# Altium PCB Annotated_PCB.PcbDoc (part 3 of 4)
Units mil, origin at the board's own origin, x right, y up, seen from the top; angles counter-clockwise.
Board outline 5551.18 x 866.13 mil, 4 copper layers (Top Layer, Mid-Layer 1, Mid-Layer 2, Bottom Layer); 219 components, 0 nets, 672 pads, 868 vias.
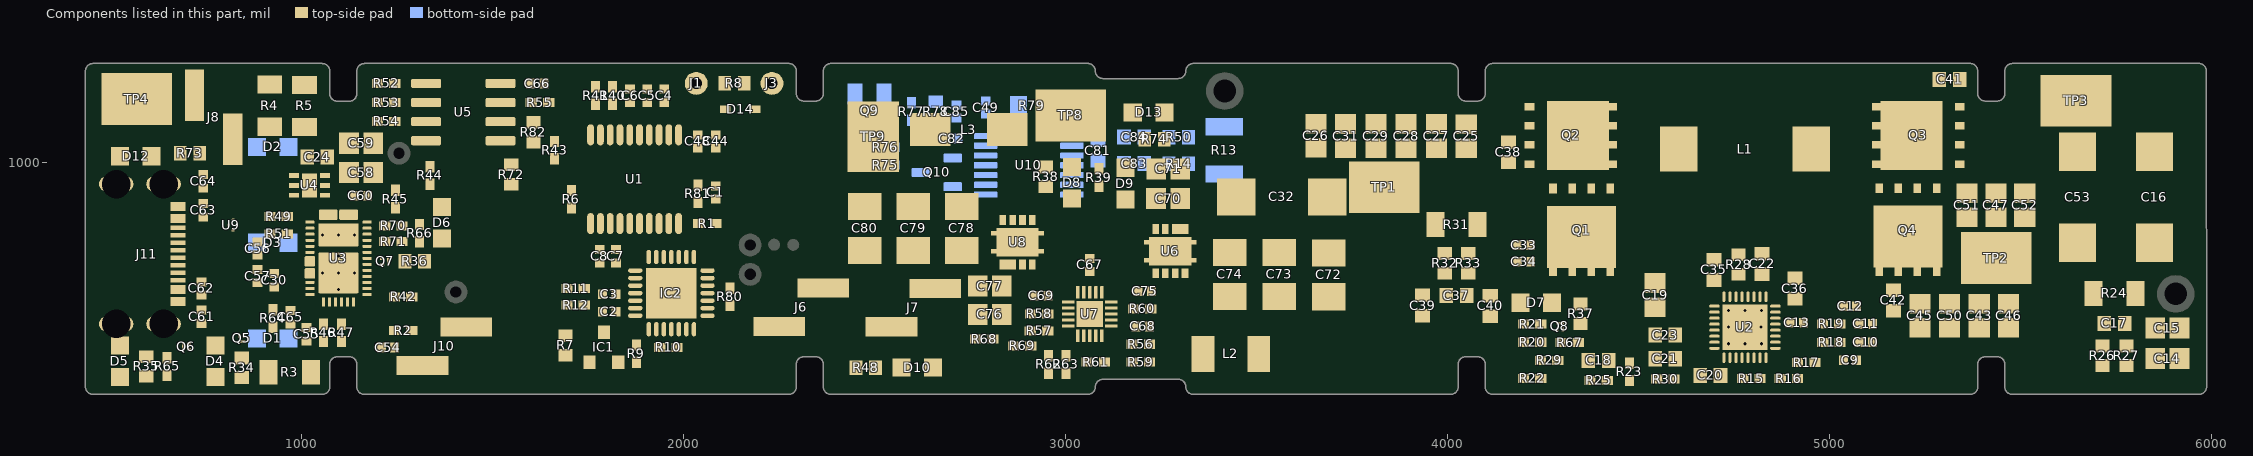
[diagram p5: the components of this part, seen from the top]

## Via types
v1: diameter 18, hole 12, Top Layer to Bottom Layer, tented both sides, 430 vias
v2: diameter 18, hole 8, Top Layer to Bottom Layer, tented both sides, 383 vias
v3: diameter 18, hole 10, Top Layer to Bottom Layer, tented both sides, 49 vias
v4: diameter 23.62, hole 23.62, Top Layer to Bottom Layer, tented both sides, 4 vias
v5: diameter 77.95, hole 77.95, Top Layer to Bottom Layer, 2 vias

## Nets (pads, with @x,y where several pads share a name; then routed paths per layer and width w, separated by ;. In a path a pad name is that pad's centre, name@x,y a point inside that pad or via, vN(x,y) a via of type N, cw(c..) or ccw(c..) an arc to the next point about the centre after c; other vN are vias at no path point) (continued)
copper on no net: | length 74505.5
  Top Layer w4.16: 677.19,731.91 663.41,731.91 658.14,737.17 647.47,737.17 635.51,749.13 635.51,773.75 647.47,785.7 658.14,785.7 663.41,790.97 677.19,790.97 690.97,790.97 696.23,785.7 725.79,785.7 777.32,837.24 777.32,846.84 783.74,853.26 801.47,853.26 804.16,850.56 821.9,850.56 822.69,849.77 822.69,844.19 825.7,841.18 915.75,841.18 918.19,843.61 v2@918.19,859.24 ; 677.19,751.6 663.41,751.6 658.14,746.33 651.26,746.33 644.67,752.92 644.67,769.95 651.26,776.54 658.14,776.54 663.41,771.28 677.19,771.28 690.97,771.28 696.23,776.54 729.58,776.54 777.21,824.18 780.66,824.18 783.74,821.1 800.29,821.1 804.29,825.1 815.09,825.1 815.2,825.21 820.48,825.21 821.9,823.79 822.69,824.58 822.69,830.16 824.54,832.02 915.75,832.02 918.19,829.58 v2@918.19,813.95 ; 970.46,813.95 970.46,829.58 973.08,832.2 1011.65,832.2 1014.94,828.9 1022.82,828.9 ; 970.46,859.24 970.46,843.61 972.72,841.36 1011.65,841.36 1014.94,844.65 1022.82,844.65 ; v2(1667.99,821.99) 1669.56,820.42 1679.65,820.42 1683.23,816.84 1683.23,719.36 1665.69,701.82 1665.69,654.84 1692.9,627.63 1695.86,627.63 ; v2(1687.12,835.99) 1688.69,834.42 1688.69,824.33 1692.39,820.64 1692.39,715.56 1674.85,698.03 1674.85,668.25 1693.17,668.25 1695.86,670.93 ; v2@1850.99,636.99 1852.21,638.21 1873.16,638.21 1874.38,639.43 ; v2@1850.99,661.99 1852.43,660.55 1872.95,660.55 1874.38,659.12
  Top Layer w5: 4858.26,546.25 4868.88,546.25 4871.75,549.12 4879.54,549.12 4888.28,540.38 4893.59,540.38 v2(4897.11,536.87) ; 4858.26,562 4868.88,562 4871.75,559.12 4883.68,559.12 4889.44,553.37 4903.94,553.37 4906.32,550.99 v2(4919.99,550.99) ; 5690.44,658.45 5728.53,658.45 5740.56,646.42 5740.56,601.29 5718.98,579.71 5740.56,558.14 5740.56,547.16 5730.26,536.86 5730.26,534.89 5716.03,520.66 5714.06,520.66 ; 5777.05,520.66 5750.56,547.16 5750.56,558.14 5772.13,579.71 5750.56,601.29 5750.56,646.42 5762.59,658.45 5800.68,658.45
  Top Layer w6: v2@4931.68,577.75 v2(4931.68,581.75)
  Top Layer w6.68: v1(2900.58,988.99) 2900.58,947.92 2910.52,937.98 2948.81,937.98 ; 3934.05,651.45 3996.89,651.45 ; 3968.49,837.29 4003.93,837.29 4017.77,823.44 4017.77,777.77 4014.99,774.99 4006.59,774.99 3993.1,761.5 ; 3993.1,710.32 4006.49,696.93 4013.86,696.93 4017.77,693.02 4017.77,681.81 4017.77,671.55 4013.86,667.64 4011.41,667.64 3997.04,653.27 ; 3997.04,650.33 3997.04,652.3 ; v2(4012.99,617.99) 4012.99,621.05 4017.65,625.71 4017.65,633.37 4013.99,637.03 ; v2@4016.78,617.99 v2@4017.92,616.85 ; v2(4033.99,617.99) 4033.99,620.61 4030.01,624.59 4030.01,633.67 4033.36,637.03 4039.83,637.03 ; 4039.83,652.3 4050.19,652.3 ; 4050.19,653.27 4035.81,667.64 4033.36,667.64 4029.45,671.55 4029.45,686.65 4029.45,693.02 4033.36,696.93 4040.73,696.93 4054.12,710.32 ; 4054.12,651.3 4114.01,651.3 ; 4054.12,761.5 4040.64,774.99 4032.43,774.99 4029.45,777.97 4029.45,823.45 4043.29,837.29 4078.73,837.29 ; v2(4626.99,614.99) 4630.05,614.99 4632.35,617.28 4666.11,617.28 4676.18,607.21 4686.61,607.21 4688.91,609.51 4698.81,609.51 ; v2(4642.52,597.99) 4645.58,597.99 4653.2,605.6 4658.73,605.6 4668.8,595.53 4686.61,595.53 4688.64,593.49 4698.81,593.49
  Top Layer w8: 648.99,489.7 725.47,489.7 733.99,498.23 733.99,545.32 743.97,555.3 800.19,555.3 893.51,648.62 942.62,648.62 981.19,687.19 1022.63,687.19 ; 933.71,616.13 989.03,671.45 1022.63,671.45 ; 1022.82,765.93 1045.07,765.93 1097.43,713.57 ; 1058.06,578.93 1073.81,594.67 1073.81,635.99 ; 1089.56,636.01 1089.56,593.69 1104.32,578.93 ; 1136.99,635.99 1136.99,614.27 1211.92,539.34 1264.6,539.34 1295.18,508.76 1391.22,508.76 1415.99,483.99 v2(1480.99,483.99) ; v2(2451.99,649.6) 2451.99,558.62 2510.1,500.52 v2(2530.82,500.52) ; v2(2913.29,703.86) 2913.29,734.24 ; 3079.71,661.01 3079.71,682.08 3093.49,695.86 v2(3093.49,712.59) ; 3156.89,987.19 3156.95,987.14 ; 4244.08,436.01 4264.06,455.99 v2(4299.99,455.99) ; 4418.38,430.44 4422.02,434.07 v2(4422.02,483.26) ; 4476.37,475.38 4476.37,513.77 4481.29,518.69 4566.15,518.69 4596.45,548.99 ; 4543.3,433.6 4547.82,429.08 ; v3(4543.3,685.49) 4572.49,685.49 4622.99,634.99 4667.28,634.99 4677.28,625 4698.8,625 ; 4593.09,429.08 4593.09,478.92 4596.45,482.27 4663.75,482.27 4696.23,514.75 4698.81,514.75 ; v3(4597.99,631.99) 4597.99,550.53 4596.45,548.99 ; v2(4637.9,505.63) 4637.83,505.63 4596.45,547.02 ; v2(4655.99,561.99) 4696.78,561.99 ; 4698.81,530.5 4659.26,530.5 4642.75,547.02 4596.45,547.02 ; v2@4739.16,490.15 v2(4739.42,490.15) ; v2(4754.91,464.56) 4754.91,490.15 ; 4802.16,490.15 4802.16,467.51 4817.9,451.76 4817.9,435.03 4871.05,435.03 ; 4817.9,490.15 4817.9,471.45 4826.45,462.9 4888.45,462.9 4916.33,435.03 4916.33,478.34 ; 4833.65,490.15 4833.65,499.01 4919.28,499.01 4952.28,532.01 4981.88,532.01 4981.88,511.75 5007.1,486.53 5036.41,486.53 5036.41,485.75 ; 4858.26,514.75 4916.33,514.75 4952.49,550.92 4952.49,568.49 4962.27,578.27 4981.68,578.27 4981.68,602.72 5003.49,624.53 5036.41,624.53 ; 5026.96,578.27 5077.55,578.27 ; 5027.16,532.01 5078.34,532.01 ; 5071.05,485.75 5094.01,485.75 5112.19,503.92 v2(5112.19,530.09) ; 5071.05,624.53 5094.86,624.53 5112.19,607.19 v2(5112.19,578.27) ; 4596.45,547.02 4596.45,548.99
  Top Layer w9.08: 1172.42,671.42 1218.17,671.42 v2(1218.78,670.82) ; 1172.42,687.17 1199.01,687.17 v2(1206.83,694.99) ; 1172.42,702.92 1184.99,702.92 1195.99,713.92 1224.8,713.92 v2(1243.73,694.99) 1243.73,654.32 1241.47,652.06 1244.37,649.16 1244.37,561.01 ; 1172.42,828.9 1184.99,828.9 1193.77,837.69 1193.77,838 1194.05,838.28 1194.05,852.78 1198.39,857.12 1238.23,857.12 1245.27,864.15 1245.27,885.67 1224.4,906.53 1224.4,989.99 1255.99,1021.58 1255.99,1025.12 ; v2(1263.63,793.99) 1264.58,793.99 1287.99,817.4 1287.99,895.35 1336.99,944.35 1365.35,944.35 v2(1378.94,930.77) ; v2(1264.1,834.99) 1264.58,834.99 1271.85,842.26 1271.85,970.85 1325.6,1024.6 1373.99,1024.6 1404.38,1054.99 v2(1450.99,1054.99) ; v2(1430.99,722.11) 1430.99,963.99 v2(1461.99,994.99) ; v2(1447.99,505.99) 1428.99,524.99 1360.32,524.99 1341.99,543.32 v2(1341.99,650.99) 1355.99,664.99 1355.99,676.99 1410.99,731.99 1410.99,978.22 v2(1448.99,1016.22) ; v2(1512.8,722.11) 1524.57,710.34 1524.57,475.41 v2(1542.99,456.99) ; 1521.64,1057.86 1521.64,1021.28 1548.02,994.9 1549.99,994.9 ; 1521.64,1107.86 1606.12,1107.86 1607.86,1106.12 ; v2(1540.99,796.99) 1540.99,489.99 v2(1590.99,439.99) ; v2(1566.99,761.99) 1566.99,495.97 v2(1623.99,438.97) ; v2(1607.86,1054.94) 1662.08,1054.94 1662.99,1055.84 ; 1770.66,1153.53 1770.66,1150.58 1808.64,1112.6 1808.64,1073.27 1808.49,1073.12 1808.49,1037.69 1790.13,1019.33 1790.13,1017.19 v2(1787.99,1017.19) ; v2(1808.99,993.99) 1834.23,1019.23 1834.23,1073.27 1834.23,1131.3 1814.95,1150.58 1814.95,1153.53 ; v2(2156.99,571.82) 2251.34,571.82 2251.51,571.99 ; 2237.77,785.79 2237.77,690.3 2256.08,671.99 2366.47,671.99 2366.47,621.75 2341.99,597.27 v2(2341.99,538.84) ; 2287.79,785.21 2287.79,722.99 2302.79,707.99 2438.35,707.99 2475.35,670.99 2659.83,670.99 2659.83,604.12 2630.99,575.28 v2(2630.99,516.99) ; v2(2544.87,570.99) 2544.87,603.55 2568.99,627.67 v2(2568.99,649.51) ; v2(4786.41,458.43) 4786.41,490.15
  Top Layer w10: 594.44,494.62 593.45,493.64 594.44,492.65 596.41,492.65 622.75,518.99 691.13,518.99 ; 639.79,950.51 657.43,950.51 651.38,944.46 ; 677.19,692.54 700.73,692.54 729.37,721.18 888.01,721.18 936.82,769.99 981.43,769.99 1007.79,796.34 1016.01,796.34 ; 677.19,810.65 677.52,810.32 v3(722.49,810.32) ; 706.88,527.75 706.88,579.56 706.99,579.67 ; 707.19,492.35 707.19,512.1 ; v2@743.99,893.31 v2(743.99,934.67) ; v2(790.4,837.18) 810.08,837.18 ; v3(794.99,756.99) 884.55,756.99 885.82,758.26 902.84,758.26 930.39,785.82 976.05,785.82 1002.32,812.09 1021.75,812.09 1022.82,813.16 ; v2(815.99,538.99) 825.22,548.22 836.04,548.22 ; v3(841.99,793.99) v3@842.53,793.45 ; 843.1,438.97 844.08,437.98 ; 844.08,489.16 844.48,489.56 844.48,529.99 ; 851.37,548.22 851.37,570.37 897.13,616.13 933.71,616.13 ; 885.27,793.45 885.82,792.9 ; v2(1013.99,534.34) 1014.99,533.35 1104.31,533.35 1105.3,532.35 ; 1013.99,568.99 1014.78,568.99 v3(1014.78,592.73) 1058.04,635.99 1071.99,635.99 ; 1022.82,781.66 1044.86,781.66 1049.66,786.46 1072.5,786.46 1097.62,811.58 ; 1097.62,712.17 1097.62,710.79 1152.74,655.67 1172.42,655.67 ; 1097.62,799.6 1100.19,797.04 1110.76,786.46 1146.52,786.46 1151.32,781.66 1172.42,781.66 ; 1103.93,718.69 1172.23,718.69 ; 1105.3,579.63 1105.3,572.09 1107.65,572.09 1185.99,493.76 ; 1105.3,636.01 1105.3,618.91 1207.49,516.72 v2(1209.67,516.72) 1209.67,515.93 1187.49,493.76 1185.99,493.76 ; v2@1118.57,689.68 1097.43,710.82 1097.43,713.57 1149.79,765.93 1172.23,765.93 ; v2@1119.67,734.44 1212.1,734.44 ; 1172.23,750.19 1212.1,750.19 1212.1,765.16 1217.96,771.02 1292.02,771.02 1304.99,783.99 1304.99,793.64 ; 1172.42,797.41 1212.94,797.41 1216.36,793.99 ; 1172.42,813.16 1191.56,813.16 1213.4,834.99 1216.35,834.99 ; 1245.07,1108.26 1245.27,1108.06 1326.56,1108.06 1326.76,1107.86 ; 1245.07,1157.47 1245.27,1157.67 1326.56,1157.67 1326.76,1157.86 ; 1245.07,1207.86 1326.76,1207.86 ; 1274.99,469.99 1317.51,469.99 1209.76,469.99 1185.99,493.76 ; 1309.99,838.57 v2(1309.99,887.64) ; 1322.58,742.12 1349.12,742.12 1368.99,761.99 1368.99,792.86 1360.99,800.87 ; v2(1468.99,775.99) 1487.99,794.99 1487.99,951.99 v2(1508.99,972.99) ; 1521.64,1157.86 1521.84,1157.67 1602.16,1157.67 1602.35,1157.47 ; v2(1628.99,562.99) 1648.99,582.99 1648.99,756.96 v2(1662.99,770.96) ; v2(1629.99,668.99) 1629.99,821.59 1659.99,851.59 1659.99,937.99 v2(1670.99,948.99) ; 1706.99,882.35 1800.32,882.35 1808.64,874.03 1808.64,840.99 1807.17,842.46 ; v2(1741.13,731.99) 1741.13,787.13 1757.46,803.46 1757.46,840.99 ; v2(1757.46,1072.52) v2@1757.46,1073.27 ; v2(1783.05,1072.52) v2@1783.05,1073.27 ; 1834.23,840.99 1834.23,895.23 1878.79,939.79 2084.77,939.79 2126.97,981.99 2201.55,981.99 2237.77,945.77 ; 1874.38,678.8 1949.19,678.8 ; 1874.38,698.49 1921.63,698.49 v2(1925.56,702.42) ; 1874.38,718.17 1909.82,718.17 v2(1925.56,702.42) ; v2(1880.99,899.3) 1978.86,899.3 2037.4,840.76 2040.35,840.76 ; 1929.16,512.76 1929.16,564.28 1929.5,564.63 ; v2(1935.87,799.12) 1936.23,799.48 1936.23,840.63 1936.6,840.99 ; 1949.19,753.6 1949.19,784.43 1962.19,797.43 1962.19,840.99 ; 1988.56,753.6 v2(1988.56,783.12) ; v2(2007.9,797.08) 2007.9,753.95 2008.24,753.6 ; 2008.24,564.63 2008.24,611.87 v2(2012.18,615.81) ; 2027.93,564.63 2027.93,600.06 ; 2037.99,896.35 2037.99,893.4 2044.8,886.59 2047.75,886.59 2061.35,872.99 2109.13,872.99 2122.99,859.13 2122.99,734.99 2106.34,718.34 2063.53,718.34 2063.36,718.17 ; v2(2063.36,698.49) 2098.37,698.49 2121.99,674.86 2121.99,671.91 ; 2121.99,626.64 2121.99,623.68 2098.37,600.06 2063.36,600.06 2027.93,600.06 ; 2188.36,1139.99 v2(2236.99,1139.99) ; v2(2229.99,1085.99) 2270.84,1085.99 2298.99,1057.84 2298.99,1029.79 2287.79,1018.59 2287.79,995.75 ; 2287.79,945.75 2287.79,946.56 2304.68,963.45 v2(2304.68,964.26) ; 2887.7,734.24 2887.7,700.86 2907.57,680.99 2971.99,680.99 3007.27,645.71 3007.27,635.82 ; 2908.65,604.87 2908.65,622.29 2919.59,633.23 2919.59,651.93 ; 2913.29,850.38 2961.6,850.38 2977.99,834 2977.99,697.99 3014.97,661.01 3032.47,661.01 ; 2953.63,560.3 2979.79,560.3 2992.45,547.63 3032.47,547.63 ; v2@2953.93,604.32 3007.27,604.32 ; 2956.08,495 3014.02,495 3048.22,529.2 3048.22,547.63 ; 2956.59,651.92 2956.59,645.13 2981.65,620.07 3007.27,620.07 ; v2(3001.08,449.71) 3027.89,449.71 3034.96,456.78 3034.96,459.04 3054.12,478.21 3057.08,478.21 ; 3048.22,661.01 3048.22,689.42 3032.47,705.17 3032.47,757.11 3047.23,771.86 3048.73,771.86 3156.95,880.08 v1(3156.95,904.46) ; 3063.97,661.01 3063.97,715.41 ; v2(3063.99,521.82) 3063.98,547.62 ; 3079.71,547.63 3079.99,547.35 3079.99,497.61 3099.4,478.21 3174.84,478.21 ; 3095.46,547.63 3149.3,547.63 3171.66,525.26 3174.62,525.26 ; 3095.46,661.01 3115.74,661.01 3165.7,710.98 3236.21,710.98 ; v2(3120.66,572.82) 3121.16,572.32 3184.43,572.32 3184.93,571.82 ; 3120.66,604.32 3120.75,604.41 3145.3,604.41 3158.71,617.82 3178.35,617.82 v2(3178.27,617.73) ; 3120.66,620.07 3121.33,620.74 3139.76,620.74 3182.4,663.38 3190.17,663.38 3190.17,664.17 ; 3120.66,635.82 3133.62,635.82 3151.99,654.18 v2(3151.99,670.99) ; v2(3152.55,744.08) 3152.55,845.46 3163.38,856.29 3252.94,856.29 3261.8,847.43 3261.8,827.12 ; v2(3177.99,738.19) 3177.99,813.94 3191.17,827.12 3236.21,827.12 ; v2(3219.58,571.82) 3219.73,571.66 3219.73,525.42 3219.89,525.26 ; 3222.87,661.66 3222.96,661.57 3222.96,621.4 3223.05,621.3 ; v1(3933.99,569.26) 3933.99,599.12 3934.7,599.83 ; 4111.99,598.94 4151.91,598.94 4162.59,588.26 v1(4162.59,575.99) ; 4244.08,577.75 4244.58,577.25 4244.58,564.46 v2(4245.07,563.97) 4287.39,563.97 4287.39,538.16 4295.86,529.69 4298.23,529.69 ; 4294.28,579.71 4348.42,579.71 ; 4418.38,430.44 4418.55,430.27 4476.2,430.27 ; 4696.99,746.56 4719.94,746.56 4732.33,734.18 4732.33,680.67 4739.63,673.38 4745.6,673.38 4754.91,664.07 4754.91,652.8 ; 4712.59,435.03 4723.16,445.6 4723.16,489.9 4723.42,490.15 ; v2(4778.53,569.87) v3(4800.22,591.56) 4802.16,593.49 4802.16,649.6 ; 4834.31,658.67 4842.27,666.62 4859.62,666.62 4869.99,676.99 4869.99,690.1 4877.46,697.56 4908.99,697.56 ; 4858.26,593.49 4882.08,593.49 4897.04,578.53 ; 4897.04,577.75 4897.04,589.48 4912.02,604.46 4963.46,604.46 5010.99,651.99 5106.99,651.99 5129.91,674.91 v1(5129.91,714.9) ; v2(1925.56,702.42) 1949.19,678.8 ; 1949.19,678.8 v2(1968.87,659.12) v2(2012.18,615.81) ; v2(2012.18,615.81) 2027.93,600.06
  Top Layer w12: 1230.99,741.99 1271.27,741.99 1271.4,742.12 ; 1691.99,496.4 1710.64,477.75 1755.02,477.75 ; 1987.78,840.99 1988.56,841.77 1987.78,842.55 v2(1987.78,851.83)
  Top Layer w15: 608.22,1017.24 647.96,1017.24 655.84,1025.12 683.4,1025.12 ; v1(1485.99,665.99) 1485.99,740.9 1516.92,771.83 1516.92,844.12 1594.99,922.19 v1(1594.99,951.99) 1594.99,989.99 1615.57,1010.57 1662.99,1010.57 1684.72,1010.57 1703.99,1029.83 1703.99,1148.35 1670.35,1181.99 1610.98,1181.99 1601.21,1191.77 1601.21,1200.07 1604.21,1203.07 1604.53,1203.07 1600.78,1207.67 1600.68,1207.77 1521.74,1207.77 1521.64,1207.86 ; 1829.82,477.75 1877.07,477.75 1891.07,477.75 1909.82,496.49 1909.82,564.63 ; v1(2654.01,463.99) 2654.01,562.39 v1(2676.46,584.84) ; v2(2704.82,938.09) 2729.78,938.09 2760.26,968.58 v2(2790.67,968.58) ; 2948.81,989.16 3017.71,989.16 ; 3087.59,987.19 3156.89,987.19 ; 4163.57,996.84 v3(4214.56,996.84) ; v3@5340.54,1147.18 5340.54,1218.49
  Top Layer w16: v3@842.53,793.45 885.27,793.45
  Top Layer w20: 525.54,441.47 594.44,441.47 ; 639.79,584.37 675.19,619.77 675.19,637.03 ; 651.38,944.46 677.19,918.66 677.19,895.85 ; 664.99,944.85 701.41,944.85 725.87,969.31 743.99,969.31 ; 665.68,579.67 706.99,579.67 739.15,579.67 ; 775.19,438.97 843.1,438.97 ; v2(884.71,540.86) 884.71,495.07 911.33,468.45 911.33,455.38 914.95,451.76 ; v2(884.71,875.99) 884.71,944.59 1008.93,1068.81 1008.93,1095.63 ; v2(1783.54,738.06) v2@1823.63,738.06 ; v2(1789.12,610.75) 1789.12,655.75 ; 1987.78,1073.27 1987.82,1073.31 2038.95,1073.31 2038.99,1073.35 ; 2037.99,1073.31 2038.04,1073.36 2084.73,1073.36 2084.78,1073.42 2085.39,1073.42 2108.4,1096.43 2108.4,1136.1 ; 2045.99,1200.99 2052.86,1207.86 2108.4,1207.86 2108.4,1207.66 2108.4,1139.99 ; 2237.79,895.75 v2(2263.68,869.86) ; 2503.27,463.99 2571.34,463.99 ; v1(2701.99,610.99) 2701.99,483.34 2735.6,449.72 2956.08,449.72 ; v1(2719.31,1063.71) 2719.31,1225.99 2992.25,1225.99 ; v1(3017.71,805.21) 3017.71,906.49 ; 3258.73,1054.99 3258.89,1055.15 3258.89,1124.99 3259.05,1125.15 ; 4282.47,630.9 4348.42,630.9
  Mid-Layer 1 w8: v2(4637.9,505.63) 4833.39,505.63 v2(4858.26,530.5)
  Mid-Layer 1 w10: v1(926.05,530.99) 935.87,530.99 947.99,543.11 947.99,603.3 958,613.31 v1(971.99,613.31) ; v3(4597.99,631.99) 4723.88,757.88 4760.33,757.88 v3(4761.86,759.41)
  Mid-Layer 1 w12: v2(2899.49,488.15) 3109.74,488.15 v2(3130.49,508.9)
  Mid-Layer 1 w15: v2(4198.1,482.99) 4243.6,437.49 4920.76,437.49 v2(4961.6,478.34)
  Mid-Layer 1 w20: 5326.19,1228.18 cw(c5326.19,1192.17) 5362.19,1192.17 5362.07,1192.17 5362.07,1174.04 ccw(c5408.24,1174.04) 5408.24,1127.87
  Mid-Layer 1 w30: v2(2524.79,1179.99) 3293.72,1179.99 3370.87,1102.84 3462.87,1102.84 3487.36,1127.33 4114.38,1127.33 4215.23,1228.18 5326.19,1228.18 ; 5408.24,1127.87 5478.87,1127.87 5579.99,1228.99 5857.52,1228.99 5905.99,1180.52 5905.99,656.99
  Bottom Layer w4.16: v2(925.19,813.95) 925.19,830.08 927.62,832.52 1020.47,832.52 1043.67,855.72 1644.35,855.72 1666.42,833.65 1666.42,823.56 v2(1667.99,821.99) v2@1668.51,822.51 ; v2(925.19,860.24) 925.19,844.11 927.62,841.68 1016.68,841.68 1039.88,864.88 1648.14,864.88 1675.46,837.56 1685.55,837.56 v2(1687.12,835.99) ; v2(1741.13,627.63) 1741.13,642.27 1743.57,644.7 1841.84,644.7 1849.55,636.99 v2@1850.99,636.99 ; v2(1741.13,670.93) 1741.13,656.3 1743.36,654.07 1841.63,654.07 1849.55,661.99 v2@1850.99,661.99
  Bottom Layer w5: v2(4897.11,536.87) 4899.98,533.99 4932.2,533.99 4935.46,537.25 5066.1,537.25 5078.64,549.78 5142.78,549.78 5165.31,527.25 5596.99,527.25 5691.25,432.99 5725.28,432.99 5750.56,458.27 5750.56,466.55 5753.49,469.48 v2(5777.05,469.48) ; v2@4915.25,547.25 5061.96,547.25 5074.49,559.78 5146.92,559.78 5169.45,537.25 5601.13,537.25 5695.39,442.99 5721.14,442.99 5740.56,462.41 5740.56,466.55 5737.63,469.48 v2(5714.06,469.48)
  Bottom Layer w6.68: 3017.16,1019.25 3039.99,1019.25 3046.95,1026.21 3064.73,1026.21 3068.64,1022.3 3068.64,1020.02 3083.02,1005.65 3084.99,1005.65 3086.96,1005.65 3101.34,1020.02 3101.34,1022.47 3105.6,1026.73 3153.42,1026.73 ; 3017.16,1044.84 3039.99,1044.84 3046.95,1037.89 3064.56,1037.89 3068.64,1041.97 3068.64,1044.42 3083.02,1058.8 3084.99,1058.8 3086.96,1058.8 3101.34,1044.42 3101.34,1041.97 3104.9,1038.41 3153.99,1038.41 ; 3153.42,983.92 3153.42,1026.73 ; 3153.42,1081.22 3153.42,1038.99 3153.99,1038.41 ; 3271.4,983.92 3271.4,1022.82 3267.49,1026.73 3153.42,1026.73 ; 3271.4,1081.22 3271.4,1042.32 3267.49,1038.41 3153.99,1038.41 ; 3322.58,997.92 3322.58,1022.82 3326.77,1027.01 3398.27,1027.01 3402.18,1023.09 3402.18,984.47 3415.81,970.84 ; 3322.58,1081.22 3322.58,1042.32 3326.22,1038.68 3398.27,1038.68 3402.18,1042.6 3402.18,1081.22 3415.81,1094.85 ; v2(4012.99,617.99) 4018.15,612.83 4018.15,593.92 4027.24,584.84 4048.87,584.84 4058.12,594.09 4361.2,594.09 4365.2,590.09 4618.6,590.09 4624.34,595.82 4640.35,595.82 v2(4642.52,597.99) ; v2(4033.99,617.99) 4029.83,613.83 4029.83,600.65 4033.97,596.51 4042.66,596.51 4051.91,605.76 4366.04,605.76 4370.04,601.76 4613.76,601.76 v2(4626.99,614.99)
  Bottom Layer w8: v2(1480.99,483.99) 2122.33,483.99 2235.61,597.27 2609.02,597.27 2646.3,559.99 2863.22,559.99 2882.22,578.99 2931.98,578.99 3004.87,506.11 3093.84,506.11 3112.99,525.26 3944.16,525.26 3988.99,570.09 4129.28,570.09 4168.87,530.5 v2(4244.08,530.5) 4599.06,530.5 4630.55,561.99 v2@4648.99,561.99 ; v2(1706.99,927.63) 1953.48,927.63 2172.88,708.23 2427.18,708.23 2451.99,683.42 v2(2451.99,649.6) ; v2(2530.82,500.52) 2829.15,500.52 2842.02,487.64 v2@2899.99,487.64 ; v2@3130.99,508.39 3950.39,508.39 3996.99,554.99 4118.99,554.99 4163.99,509.99 4163.99,470.36 4178.36,455.99 v2(4299.99,455.99) 4343.62,455.99 4350.62,448.99 4739.34,448.99 v2(4754.91,464.56) ; v2@4244.08,483.26 4341.53,483.26 4362.19,462.59 4711.86,462.59 v2(4739.42,490.15) ; v2(4245.07,563.97) 4515.21,563.97 4528.99,577.75 4646.29,577.75 4648.53,579.99 4680.25,579.99 4682.5,577.75 v2(4698.81,577.75) ; v2(4422.02,483.26) 4448.45,509.69 4598.28,509.69 4632.57,543.99 4675.19,543.99 4677.21,546.01 v2(4698.81,546.01) ; v2(4543.3,487.31) 4598.36,487.31 4637.61,526.56 4735.23,526.56 ; 4820.86,569.87 4832.73,581.75 v2(4931.68,581.75) 5020.01,581.75 5024.01,577.75 v2@5113.18,577.75 ; 4821.84,526.56 4849.36,499.05 5081.95,499.05 v2@5112.19,529.29
  Bottom Layer w9.08: v2(1206.83,694.99) 1233.94,722.11 v2(1430.99,722.11) v2(1512.8,722.11) ; v2(1218.78,670.82) 1247.02,670.82 1257.99,659.85 1330.72,659.85 1339.58,650.99 v2(1341.99,650.99) ; v2(1243.73,694.99) 1324.21,694.99 1357.37,661.83 1394.23,661.83 1404.99,661.99 ; v2(1263.63,793.99) 1264.17,794.53 1490.92,794.53 1507.46,777.99 1550.99,777.99 v2(1566.99,761.99) ; v2(1264.1,834.99) 1285.14,813.95 1521.03,813.95 1537.99,796.99 v2(1540.99,796.99) ; v2(1378.94,930.77) 1549.04,930.77 v2(1549.99,929.82) ; v2(1447.99,505.99) 2091.16,505.99 v2(2156.99,571.82) 2206.57,621.4 2564.28,621.4 2648.99,706.11 2648.99,773.99 2752.91,877.91 2937.32,877.91 2976.3,916.89 3017.16,916.89 ; v2(1448.99,1016.22) 1449.48,1016.7 1787.5,1016.7 v2(1787.99,1017.19) ; v2(1450.99,1054.99) v2@1607.84,1054.96 ; v2(1461.99,994.99) 1462.49,994.49 1808.49,994.49 v2(1808.99,993.99) ; v2(1542.99,456.99) 2136.51,456.99 2250.51,570.99 v2(2544.87,570.99) ; v2(1590.99,439.99) 1610.55,420.43 2156.69,420.43 2253.26,516.99 v2(2630.99,516.99) 2857.94,516.99 2860.23,519.28 v2@2862.06,519.28 ; v2(1623.99,438.97) 2147.92,438.97 2247.79,538.84 v2(2341.99,538.84) 2342.56,539.42 2764.42,539.42 v2(2764.99,539.99) ; v2(2085.63,840.76) 2119.22,840.76 2174.99,784.99 2176.56,786.56 2615.26,786.56 2745.59,916.89 2791.17,916.89 ; v2(2568.99,649.51) 2568.99,669.64 2634.91,735.56 2634.91,783.67 2743.23,891.99 2929.97,891.99 2980.47,942.48 3017.16,942.48 ; v2(2810.99,539.99) 2920.45,539.99 2972.39,488.05 3952,488.05 4002.94,538.99 4111.15,538.99 4149.99,500.15 4149.99,456.58 4172.5,434.07 4757.07,434.07 4770.66,447.66 v2(4770.66,490.15) ; v2(2909.63,520.99) 2959.63,470.99 3960.1,470.99 4011.25,522.15 4103.35,522.15 4134.99,490.51 4134.99,450.99 4166.34,419.64 4763.55,419.64 4786.41,442.5 v2(4786.41,458.43)
  Bottom Layer w10: v2(677.19,668.52) 709.78,635.93 709.78,539.64 742.18,507.23 1044.23,507.23 1064.75,527.75 1152,527.75 1199.44,480.31 1384.31,480.31 1428.99,524.99 1628.93,524.99 1651.52,547.58 v2(1691.99,547.58) ; v3(722.49,810.32) 775.82,756.99 v3(794.99,756.99) ; 967.39,540.86 985.53,558.99 1118.71,558.99 1152.45,592.73 1250.63,592.73 1278.77,620.87 1316.95,620.87 1342.75,595.08 1522.01,595.08 1595.92,668.99 v2(1629.99,668.99) ; 967.39,790.86 1020.12,790.86 1035.65,775.33 ; 967.39,1041.84 1005.62,1080.07 1681.12,1080.07 1724.2,1036.99 1898.72,1036.99 1911.01,1049.27 v2(1911.01,1073.27) ; 1035.65,774.33 v2@1468.33,774.33 ; v2@1210.78,515.61 1277.16,581.99 1302.99,581.99 1323.99,560.99 v2(1432.99,560.99) ; v1(1245.27,927.99) 1275.35,927.99 v1(1336.99,989.63) 1398.34,989.63 1435.98,951.99 v1(1594.99,951.99) ; v2(1289.63,560.99) 1309.63,540.99 1606.99,540.99 v2(1628.99,562.99) ; v2@1468.33,775.33 v2(1468.99,775.99) ; v2(1508.99,972.99) 1509.99,973.99 1876.99,973.99 1936.6,1033.6 v2(1936.6,1073.27) ; v2(1662.99,770.96) 1724.96,770.96 1763.45,809.45 1816.45,809.45 1873.99,866.99 1972.61,866.99 v2(1987.78,851.83) ; v2(1670.99,948.99) 1898.99,948.99 1962.19,1012.19 v2(1962.19,1073.27) ; v2(1741.13,731.99) 1794.32,678.8 2025.3,678.8 2044.99,698.49 v2(2063.36,698.49) ; v2(1757.46,1072.52) 1757.46,1095.46 1790.99,1128.99 2218.86,1128.99 2262.78,1085.07 2271.76,1085.07 2304.68,1052.15 v2(2304.68,964.26) ; v2(1783.05,840.99) 1783.05,875.36 1807,899.3 v2(1880.99,899.3) ; v2(1783.05,1072.52) 1783.05,1094.05 1798.99,1109.99 2205.99,1109.99 v2(2229.99,1085.99) ; v2(1885.87,840.76) 1885.87,829.12 1896.87,818.12 1953.56,818.12 v2(1988.56,783.12) ; v2(1911.01,840.99) 1963.99,840.99 v2(2007.9,797.08) ; v2(1935.87,799.12) 1968.87,766.12 v2(1968.87,753.6) ; 2449.99,1179.99 2449.99,1069.39 2475.59,1043.8 2502.39,1043.8 2505.35,1040.83 2505.35,994.15 ; 2487.39,1093.38 2487.39,1101.25 2495.27,1093.38 2547.49,1093.38 2560.99,1106.88 2560.99,1148.99 2571.96,1159.96 2596.99,1159.96 ; v2(2524.79,1179.99) 2524.79,1216.04 2516.44,1224.4 2425.88,1224.4 2410.99,1209.51 2410.99,1145.99 2431.99,1124.99 2431.99,1062.64 2475.99,1018.64 2475.99,982.79 2486.44,972.34 2525.86,972.34 2547.67,994.15 2550.62,994.15 ; 2547.67,1040.83 2553.2,1040.83 ; 2550.62,1043.41 2553.2,1040.83 ; 2557.04,1036.99 2553.2,1040.83 ; 2596.99,1108.78 2659.02,1108.78 2660.99,1108.78 ; 2621.86,974.99 2621.86,1004.12 2585.15,1040.83 2553.2,1040.83 ; 2705.32,1012.39 2714.77,1012.39 2705.32,1002.94 2705.32,993.66 2756.5,942.48 2791.17,942.48 ; 2714.99,1117.04 2695.65,1117.04 2687.38,1108.78 2660.99,1108.78 ; v1(2719.31,1063.71) 2719.31,1062.93 2737.05,1062.93 2755.14,1044.84 2791.17,1044.84 ; 2788.1,1047.92 2791.17,1044.84 ; 2791.17,993.66 2752.48,993.66 2739.53,1006.6 2739.53,1026.62 2729.16,1036.99 2671.63,1036.99 2660.99,1047.63 2660.99,1108.78 ; 2791.17,1019.25 2791.17,1044.84 ; 2791.17,1127.28 2791.17,1070.44 2800.66,1070.44 2803.73,1073.51 ; v2(2913.29,703.86) 2913.29,646.63 v2@2953.93,605.99 ; 2945.97,1148.99 2945.97,1020.07 2971.25,994.79 3016.03,994.79 3017.16,993.66 ; v2(3007.27,572.82) 3058.28,521.82 v2(3063.99,521.82) 3069.66,521.82 v2(3120.66,572.82) ; v2(3151.99,670.99) 3151.99,743.53 v2(3152.55,744.08) ; v2(3178.27,617.73) v2@3178.27,737.99 ; 3206.56,962.16 3206.56,997.92 ; 3206.56,1067.22 3206.56,1110.33 ; 3268.93,1187.99 3416.99,1187.99 ; v3(4543.3,634.3) 4566.61,634.3 4583.29,650.99 4697.42,650.99 4735.23,613.18 ; 4778.53,613.18 4793.99,628.64 4793.99,732.82 v3(4823.43,762.26)
  Bottom Layer w15: v3(1014.78,592.73) 1123.09,592.73 1144.7,614.34 1232.96,614.34 1258.39,639.76 1322.81,639.76 1350,612.58 1432.58,612.58 v1(1485.99,665.99) ; v1(2676.46,584.84) 2817.02,584.84 2818.18,585.99 v1(2818.99,585.99) ; v1(3939.99,803.05) 3939.99,723.99 3978.49,685.49 v3(4543.3,685.49) ; v3(4214.56,996.84) 4240.94,970.46 4282.65,970.46 4298.99,954.12 4298.99,906.97 4312.26,893.69 4491.11,893.69 4551.75,833.06 4654.61,833.06 4770.66,717.01 v3@4770.66,646.64 ; v3(4276.17,933.06) 4276.17,894.47 4297.73,872.92 4467.61,872.92 4540.34,800.19 4648.61,800.19 4739.16,709.64 v3(4739.16,649.6) ; v3(4818.16,649.6) 4817.99,649.76 4818.16,649.93 4818.16,686.16 5104.99,972.99 5289.29,972.99 5303.99,987.69 5303.99,1133.99 5316.79,1146.79 v3(5340.93,1146.79) ; v3(4858.26,624.99) 4858.26,661.75 v3(5129.91,933.4)
  Bottom Layer w20: 884.71,790.86 884.49,791.08 884.49,875.77 v2(884.71,875.99) ; 884.71,1041.84 917.57,1074.7 v2(917.57,1094.42) ; v1(1368.99,898.86) 1368.99,898.99 v1(1457.7,898.99) ; v1(1388.99,748.99) v1(1451.43,748.99) ; v1(2701.99,610.99) 2701.99,657.3 2780.99,736.3 v1(2780.99,846.99) 3120.79,846.99 3156.95,883.14 v1(3156.95,904.46) ; v1(3017.71,805.21) 3047.55,775.37 3170.52,775.37 3207.49,738.39 3207.49,685.02 3245.84,646.67 v2@3398.06,646.67
  other v1: 1025.19,451.76 5183.99,457.67 5207.61,457.67 5231.23,457.67 5254.86,457.67 5279.12,457.79 5302.75,457.79 5326.37,457.79 5349.99,457.79 5501.12,458.17 5524.75,458.17 5548.37,458.17 5571.99,458.17 2452.08,470.99 5903.34,476.37 5928.93,476.37 5183.99,483.26 5207.61,483.26 5231.23,483.26 5254.86,483.26 5279.12,483.38 5302.75,483.38 5326.37,483.38 5349.99,483.38 5501.12,483.77 5524.75,483.77 5548.37,483.77 5571.99,483.77 5852.81,487.64 5903.34,499.99 5928.93,499.99 525.54,524.15 774.99,533.34 5902.99,556.01 5928.58,556.01 5852.81,567.37 5236.27,568.33 5314.03,568.33 5391.78,568.81 5468.55,568.81 5902.99,579.63 5928.58,579.63 2848.99,585.99 5166.79,610.07 2770.74,611.34 2818.99,619.99 2848.99,619.99 5663.99,624.99 5827.99,625.97 5236.27,631.32 5314.03,631.32 5391.78,631.8 5468.55,631.8 5663.99,647.64 5827.99,648.62 2818.99,659.99 2848.99,659.99 595.54,666.99 619.38,666.99 642.77,666.99 5663.99,670.29 5166.79,671.49 5827.99,671.27 2770.74,677.16 642.77,689.15 595.54,689.61 619.38,689.61 5663.99,692.93 2818.99,693.99 2848.99,693.99 5827.99,693.92 4276.17,714.56 4326.17,714.56 4376.17,714.56 4426.17,714.56 5179.91,714.9 5229.91,714.9 5279.91,714.9 5359.4,717.12 5384.99,717.12 5489.4,717.12 5514.99,717.12 4182.67,741.38 4217.31,741.38 5359.4,740.75 5384.99,740.75 5489.4,740.75 5514.99,740.75 4276.02,742.22 4301.17,742.22 4326.02,742.22 4351.17,742.29 4376.02,742.22 4401.17,742.22 4426.02,742.22 5129.84,741.92 5154.99,741.92 5179.84,741.92 5204.99,741.99 5229.84,741.92 5254.99,741.92 5279.84,741.92 3231.99,742.99 3274.6,742.99 3316.99,744.08 3689.87,764.47 5359.4,764.37 5384.99,764.37 5489.4,764.37 5514.99,764.37 3429.99,765.38 3559.2,765.38 2833.73,766.12 2874.9,766.12 2916.64,765.91 3231.99,769.05 3274.6,769.05 3316.99,769.05 3792.35,769.11 3867.99,768.69 2475.38,771.02 2602.35,771.02 2729.32,771.02 1781.74,772.84 1823.76,772.84 4182.44,784.25 4217.08,784.25 5359.4,787.99 5384.99,787.99 5489.4,787.99 5514.99,787.99 2874.9,792.31 5612.99,792.39 5636.61,792.39 5660.23,792.39 5683.86,792.39 2833.73,792.67 2916.64,792.67 3231.49,794.99 3274.6,794.99 3316.99,794.99 4105.99,803.99 4351.17,806.49 4276.32,806.56 4301.17,806.56 4326.32,806.56 4376.32,806.56 4401.17,806.56 4426.32,806.56 5129.76,806.76 5154.91,806.76 5179.76,806.76 5204.91,806.83 5229.76,806.76 5254.91,806.76 5279.76,806.76 2833.73,818.3 2874.9,818.12 2916.64,818.12 5612.99,817.98 5636.61,817.98 5660.23,817.98 5683.86,817.98 3939.99,825.69 4105.99,826.64 595.99,829.6 619.38,829.6 642.77,829.6 3792.35,832.1 3867.99,831.68 3939.99,848.34 4105.99,849.29 4276.02,850.92 4301.17,850.92 4326.02,850.92 4351.17,850.99 4376.02,850.92 4401.17,850.92 4426.02,850.92 677.19,854.35 595.99,855.99 619.38,855.99 642.77,855.99 5359.24,857.27 5510.82,857.27 5435.03,857.61 3939.99,870.99 4105.99,871.93 5129.56,872.92 5154.71,872.92 5179.56,872.92 5204.71,872.99 5229.56,872.92 5254.71,872.92 5279.56,872.92 3647.05,874.99 3685.05,874.99 3722.99,874.99 2475.38,885.98 3285.99,889.63 3315.99,889.63 3237.19,906.49 3646.99,910.78 3685.08,910.78 3722.99,910.78 5294.17,912.24 1173.81,913.57 5359.24,920.27 5510.82,920.27 5435.03,920.61 4351.17,922.27 4400.58,921.99 5154.99,922.27 5204.71,922.27 5254.9,922.27 4450.78,922.63 3285.99,923.63 3315.99,923.63 4326.17,933.06 4376.17,933.06 4426.17,933.06 4470.27,932.86 5179.91,933.4 5229.91,933.4 5279.91,933.4 3087.59,938.97 4351.17,945 4400.58,944.74 4450.78,944.74 3647.11,946.69 3685.08,947 3722.99,946.69 5155.49,950.78 5204.71,950.78 5254.9,951.46 5293.78,950.79 5403.53,971.45 5427.16,971.45 5450.78,971.45 5474.4,971.45 5327.75,973.34 5356.26,973.34 5636.99,994.12 5662.58,994.12 5840.79,994.75 5866.38,994.75 5150.92,996.14 4274.06,996.84 4341.2,996.69 4406.06,997.37 4433.06,996.84 5122.43,996.79 5214.43,996.64 5280.06,997.03 5340.54,997.18 5403.53,997.04 5427.16,997.04 5450.78,997.04 5474.4,997.04 4566.99,998.99 4592.58,998.99 4617.99,998.99 4643.58,998.99 4916.14,998.99 4941.73,998.99 4965.4,998.99 4990.99,998.99 525.54,1017.24 5636.99,1017.75 5662.58,1017.75 5840.79,1018.37 5866.38,1018.37 5150.92,1020.99 4274.06,1021.99 4341.2,1021.84 5214.43,1021.79 5280.06,1022.18 5327.75,1021.64 5356.26,1021.64 4406.06,1022.52 4566.99,1022.61 4592.58,1022.61 4617.99,1022.61 4643.58,1022.61 4916.14,1022.61 4941.73,1022.61 4965.4,1022.61 4990.99,1022.61 734.58,1025.12 4049.21,1038.27 3733.68,1038.72 3812.84,1038.72 3892,1038.72 3971.17,1038.72 3655.71,1039.85 5636.99,1041.37 5662.58,1041.37 5840.79,1041.99 5866.38,1041.99 4566.99,1046.23 4592.58,1046.23 4617.99,1046.23 4643.58,1046.23 4916.14,1046.23 4941.73,1046.23 4965.4,1046.23 4990.99,1046.23 5150.92,1046.14 4214.56,1046.84 4274.06,1046.84 4341.2,1046.69 4406.06,1047.37 4433.06,1046.84 5122.43,1046.79 5214.43,1046.64 5280.06,1047.03 5340.54,1047.18 5636.99,1064.99 5662.58,1064.99 5840.79,1065.61 5866.38,1065.61 4566.99,1069.86 4592.58,1069.86 4617.99,1069.86 4643.58,1069.86 4916.14,1069.86 4941.73,1069.86 4965.4,1069.86 4990.99,1069.86 4196.99,1071.21 4228.99,1071.21 5150.99,1070.99 4273.99,1071.99 4341.13,1071.84 5214.36,1071.79 5279.99,1072.18 5327.75,1071.84 5356.26,1071.84 4405.99,1072.52 3654.99,1088.99 3732.99,1088.99 3811.99,1088.99 3891.99,1088.99 3970.99,1088.99 4048.99,1088.99 5150.92,1096.14 4214.56,1096.84 4274.06,1096.84 4341.2,1096.69 4406.06,1097.37 4433.06,1096.84 5122.43,1096.79 5214.43,1096.64 5280.06,1097.03 5340.54,1097.18 5150.92,1120.99 5356.26,1121.05 4196.99,1121.99 4228.99,1121.99 4274.06,1121.99 4341.2,1121.84 5214.43,1121.79 5280.06,1122.18 5327.75,1122.04 4406.06,1122.52 3176.38,1132.15 5150.92,1146.14 4214.56,1146.84 4274.06,1146.84 4341.2,1146.69 4406.06,1147.37 4433.06,1146.84 5122.43,1146.79 5214.43,1146.64 5280.06,1147.03 3654.53,1157.47 3694.28,1157.47 3734.03,1157.47 3773.78,1157.47 3813.53,1157.47 3853.28,1157.47 3893.03,1157.47 3932.78,1157.47 3972.53,1157.47 4197.99,1169.6 4230.99,1169.6 3654.53,1186.47 3694.28,1186.47 3734.03,1186.47 3773.78,1186.47 3813.53,1186.47 3853.28,1186.47 3893.03,1186.47 3932.78,1186.47 3972.53,1186.47 4214.75,1190.93 1008.93,1204.11 917.57,1204.66 3654.53,1215.52 3694.28,1215.52 3734.03,1215.52 3773.78,1215.52 3813.53,1215.52 3853.28,1215.52 3893.03,1215.52 3932.78,1215.52 3972.53,1215.52
  other v2: 648.49,444.93 4243.54,483.26 4368.87,483.26 1244.31,516.72 2864.35,520.99 1877.07,528.15 4543.3,548.99 2908.35,560.3 925.99,570.09 971.99,578.67 3042.99,583.99 3085.56,583.99 3397.99,591.31 3420.92,591.18 3442.99,591.31 3465.92,591.18 3487.99,591.44 3510.92,591.31 1740.99,600.45 3063.97,604.32 2953.93,604.87 3397.99,611.7 3420.92,611.57 3442.99,611.7 3465.92,611.57 3487.99,611.83 3510.92,611.7 739.15,614.31 1925.56,615.81 1968.87,615.81 3042.67,625.99 3085.56,625.99 3397.99,632.09 3420.92,631.96 3442.99,632.09 3465.92,631.96 3487.99,632.21 3510.92,632.09 1849.99,636.99 3397.99,652.47 3420.92,652.35 3442.99,652.47 3465.92,652.35 3510.92,652.47 3487.99,652.6 738.99,654.1 1925.56,659.12 2012.18,659.12 1849.99,661.99 1055.3,669.17 1075.99,668.99 1118.99,668.6 1139.94,669.17 738.99,688.75 1075.99,690.49 1118.99,690.1 1055.3,690.67 1097.62,690.67 1139.94,690.67 1740.99,698.99 1968.87,702.42 2012.18,702.42 1075.99,711.99 1118.99,711.6 1075.99,733.49 1118.99,733.1 1055.3,733.67 1097.62,733.67 1139.94,733.67 1823.76,738.19 3063.97,750.05 1055.3,755.17 1075.99,754.99 1118.99,754.6 1139.94,755.17 794.99,782.06 1064.3,793.99 1087.22,793.99 1106.99,794.23 1130.16,794.53 1655.99,800.99 1076.22,811.71 1118.07,811.71 1055.3,830.99 1076.22,830.99 1097.14,830.99 1118.07,830.99 1138.99,830.99 1711.99,841.68 743.99,858.67 2529.06,863.32 2551.99,863.19 2574.06,863.32 2596.99,863.19 2619.06,863.45 2641.99,863.32 3391.06,870.07 3413.99,869.94 3436.06,870.07 3458.99,869.94 3481.06,870.2 3503.99,870.07 2529.06,883.71 2551.99,883.58 2574.06,883.71 2596.99,883.58 2619.06,883.83 2641.99,883.71 1058.06,889.88 1080.99,889.75 1112.99,889.75 1135.92,889.63 3391.06,890.46 3413.99,890.33 3436.06,890.46 3458.99,890.33 3503.99,890.46 3481.06,890.58 744.1,893.43 3778.26,893.83 3801.19,893.7 3823.26,893.83 3846.19,893.7 3868.26,893.96 3891.19,893.83 2529.06,904.09 2551.99,903.97 2574.06,904.09 2596.99,903.97 2619.06,904.22 2641.99,904.09 2084.77,905.15 1058.06,910.27 1080.99,910.14 1112.99,910.14 1135.92,910.01 3391.06,910.84 3413.99,910.72 3436.06,910.84 3458.99,910.72 3481.06,910.97 3503.99,910.84 3778.26,914.22 3801.19,914.09 3823.26,914.22 3846.19,914.09 3868.26,914.35 3891.19,914.22 991.06,920.34 1013.99,920.21 2529.06,924.48 2551.99,924.35 2574.06,924.48 2596.99,924.35 2641.99,924.48 2619.06,924.61 1135.92,930.4 1058.06,930.66 1080.99,930.53 1112.99,930.53 3391.06,931.23 3413.99,931.1 3436.06,931.23 3458.99,931.1 3481.06,931.36 3503.99,931.23 3801.19,934.48 3846.19,934.48 3778.26,934.61 3823.26,934.61 3868.26,934.73 3891.19,934.61 991.06,940.73 1013.99,940.6 2529.06,944.87 2551.99,944.74 2574.06,944.87 2596.99,944.74 2619.06,945 2641.99,944.87 1058.06,951.05 1080.99,950.92 1112.99,950.92 1135.92,950.79 3413.99,951.49 3458.99,951.49 3391.06,951.62 3436.06,951.62 3481.06,951.75 3503.99,951.62 3778.26,954.99 3801.19,954.87 3823.26,954.99 3846.19,954.87 3868.26,955.12 3891.19,954.99 991.06,961.12 1013.99,960.99 1058.06,971.43 1080.99,971.31 1112.99,971.31 1135.92,971.18 3778.26,975.38 3801.19,975.26 3823.26,975.38 3846.19,975.26 3891.19,975.38 3868.26,975.51 1058.06,991.82 1080.99,991.69 1112.99,991.69 1135.92,991.57 1175.06,992.12 1197.99,991.99 820.99,1011.22 1058.06,1012.21 1080.99,1012.08 1112.99,1012.08 1135.92,1011.95 1197.99,1012.38 1175.06,1012.51 1080.99,1032.47 1112.99,1032.47 1135.92,1032.34 1058.06,1032.6 1175.06,1032.89 1197.99,1032.77 2037.99,1038.67 2084.78,1038.77 1326.76,1057.86 820.99,1061.6 1885.42,1073.27 1199.79,1108.26 820.99,1113.22 493.87,1116.6 569.99,1116.6 645.87,1116.6 720.99,1126.18 1199.79,1157.47 1647.63,1157.47 493.87,1166.99 569.99,1166.99 645.87,1166.99 720.99,1176.56 1860.57,1192.8 1905.57,1192.8 1950.57,1192.8 1199.79,1207.86 1635.42,1207.67 2159.58,1208.15 493.87,1218.6 569.99,1218.6 645.87,1218.6 720.99,1228.18
  other v3: 4756.99,526.56 4799.99,526.99 4734.99,548.16 4756.9,547.78 4778.53,548.19 4800.67,547.99 4821.99,547.99 4756.85,569.87 4800.22,569.87 4735.12,591.99 4756.85,591.99 4778.53,591.56 4821.99,591.99 4756.88,613.01 4800.22,613.18 4770.66,649.6 929.85,675.45 885.82,686.53 929.85,703.99 962.23,703.99 1000.07,705.73 1022.82,710.79 913.28,716.99 945.66,716.99 978.04,716.99 929.85,735.99 962.23,735.99 994.61,735.99 1022.82,742.29 946.12,750.99 978.49,750.99 1015.42,1015.07
  other v4: 614.19,627.58 470.49,708.29 470.49,814.59 614.19,895.3
  other v5: 809.05,667.31 809.05,917.31

## Polygon pours and split planes (outlines as drawn)
no net on Bottom Layer "NONET_L03_P002" (solid, remove dead copper, pour order 2): 3274.6,1350.99 3274.6,379.99 339.99,379.99 339.99,1350.99
no net on Bottom Layer "Bottom Layer-NetC35_2" (solid, remove dead copper, pour order 24): 4062.99,1070.86 3615.48,1070.86 3615.48,799.99 4062.99,799.99
no net on Bottom Layer "Bottom Layer-GND 2" (solid, pour order 22): 1152.99,655.99 1152.99,769.99 1042.99,769.99 1042.99,655.99
no net on Bottom Layer "NONET_L03_P020" (solid, pour order 20): 1043.99,841.49 1043.99,781.99 1150.99,781.99 1150.99,841.49
no net on Bottom Layer "Top Layer-NetC44_2" (solid, remove dead copper, pour order 18): 5776.56,617.12 5776.56,886.8 5955.99,886.8 5955.99,602.72 5880.9,602.72 5880.9,453.73 5815.93,453.73 5815.93,616.62
no net on Bottom Layer "Top Layer-NetC61_2" (solid, remove dead copper, pour order 16): 5303.99,892.21 5072.82,892.21 5072.82,594.48 4776.56,594.48 4776.56,1162.39 4989.16,1162.39 5303.99,1162.39
no net on Bottom Layer "Top Layer-NetC3_1" (solid, remove dead copper, pour order 14): 4856.4,639.99 5195.59,639.99 5195.59,606.59 5714.56,606.59 5714.56,887.15 4856.4,887.15
no net on Bottom Layer "Top Layer-NetC58_2" (solid, remove dead copper, pour order 12): 3933.06,1020.66 4126.96,1020.66 4257.86,1020.66 4257.86,888.77 4740.99,888.77 4740.99,677.56 3933.06,677.56
no net on Bottom Layer "Top Layer-NetC60_2" (solid, remove dead copper, pour order 10): 4248.38,881.88 4480.31,881.88 4480.31,594.48 4776.56,594.48 4776.56,1161.74 4563.97,1161.74 4248.38,1161.74
no net on Bottom Layer "Top Layer-BATT_NEG" (solid, pour order 8): 3345.14,1072.18 3487.27,1072.18 3487.27,1290.24 3345.17,1290.24
no net on Bottom Layer "Bottom Layer-FUEL_BATT_SR_P" (solid, remove dead copper, pour order 6): 3330.45,1290.24 3330.45,863.5 2633.99,863.5 2633.99,1290.24
no net on Bottom Layer "NONET_L03_P004" (solid, pour order 4): 1094.99,1082.99 1094.99,599.99 580.99,599.99 580.99,1082.99
no net on Bottom Layer "Bottom Layer-GND 1" (solid, remove dead copper, pour order 0): 3126.99,1298.22 6019.68,1298.22 6019.68,361.21 5142.71,361.21 5142.71,688.97 4189.95,688.97 4189.95,398.61 3126.99,398.61
no net on Top Layer "Top Layer-+5V0 1" (solid, pour order 42): 2381.88,1279.52 2381.88,835 2779.52,835 2779.52,1279.52
no net on Top Layer "Top Layer-+3V3" (solid, remove dead copper, pour order 32): 1055.11,1318.99 1055.11,336.99 3269.01,336.99 3269.01,1318.99
no net on Top Layer "Top Layer-NetL2_1" (solid, pour order 84): 3249.01,727.35 3249.01,394.02 3367.12,394.02 3367.12,727.35
no net on Top Layer "NONET_L01_P082" (solid, pour order 82): 3274.6,811.44 3274.6,1012.71 3325.78,1012.71 3325.78,811.44
no net on Top Layer "NONET_L01_P080" (solid, pour order 80): 2802.99,574.99 2802.99,748.71 2872.78,748.71 2872.78,574.99
no net on Top Layer "NONET_L01_P078" (solid, pour order 78): 1099.4,850.38 1099.4,1082.67 1155.5,1082.67 1155.5,850.38
no net on Top Layer "NONET_L01_P076" (solid, pour order 76): 1043.3,850.38 1043.3,1082.67 1095.46,1082.67 1095.46,850.38
no net on Top Layer "Top Layer-GND 4" (solid, pour order 74): 2945.98,829.71 2945.98,735.23 2382.4,735.23 2382.4,829.71
no net on Top Layer "Top Layer-NetC44_2" (solid, remove dead copper, pour order 72): 5776.99,607.06 5776.99,886.8 5958.99,886.8 5958.99,602.72 5880.9,602.72 5880.9,453.73 5795.75,453.73 5795.75,606.82
no net on Top Layer "Top Layer-GND 7" (solid, remove dead copper, pour order 70): 957.99,891.99 1040.99,891.99 1040.99,1041.03 957.99,1041.03
no net on Top Layer "Top Layer-GND 6" (solid, pour order 68): 1159.99,1082.67 1159.99,837.97 1213.99,837.97 1213.99,1082.67
no net on Top Layer "Top Layer-NetC61_2" (solid, remove dead copper, pour order 66): 5303.99,892.21 5072.82,892.21 5072.82,594.48 4776.56,594.48 4776.56,1162.39 4989.16,1162.39 5303.99,1162.39
no net on Top Layer "Top Layer-NetC35_2" (solid, pour order 64): 3988.61,804.99 3615,804.99 3615,1065.93 4126.99,1065.93 4126.99,984.99 3988.61,984.99
no net on Top Layer "Top Layer-NetC3_1" (solid, remove dead copper, pour order 62): 5084.64,639.99 5195.59,639.99 5195.59,606.59 5769.58,606.59 5769.58,887.4 5084.64,887.4
no net on Top Layer "Top Layer-GND 3" (solid, remove dead copper, pour order 60): 6029.52,362.19 5142.71,362.19 5142.71,897.63 6029.52,897.63
no net on Top Layer "Top Layer-NetC61_2 1" (solid, pour order 58): 1036.41,728.34 910.42,728.34 910.42,758.85 1036.41,758.85
no net on Top Layer "Top Layer-+5V0" (solid, pour order 56): 1036.41,725.38 900.66,725.38 900.66,694.87 1036.41,694.87
no net on Top Layer "Top Layer-REGN" (solid, remove dead copper, pour order 54): 4743.16,733.82 4743.16,631.99 4850.99,631.99 4850.99,733.82
no net on Top Layer "Top Layer-NetC60_2" (solid, remove dead copper, pour order 52): 4474.61,666.39 4577.99,666.39 4577.99,624.99 4776.56,624.99 4776.56,1161.74 4248.38,1161.74 4248.38,894.47 4474.61,894.47
no net on Top Layer "Top Layer-No Net" (solid, remove dead copper, pour order 50): 3126.96,1029.52 4123.02,1029.52 4123.02,892.21 6060.03,892.21 6060.03,1296.25 3126.96,1296.25
no net on Top Layer "Top Layer-GND 1" (solid, remove dead copper, pour order 48): 3126.96,1065.93 3126.96,725.99 3979.15,725.99 3979.15,1065.93
no net on Top Layer "Top Layer-NetL3_1" (solid, pour order 46): 2900.58,834.64 2782.47,834.64 2782.47,1277.55 2900.58,1277.55
no net on Top Layer "Top Layer-NetC58_2" (solid, pour order 44): 4059.57,806.49 4059.57,979.47 4282.05,979.47 4282.05,1020.66 4282.05,888.77 4469.48,888.77 4469.48,666.39 4198.99,666.39 4072.82,666.39 4072.82,806.49
no net on Top Layer "Top Layer-No Net 2" (solid, remove dead copper, pour order 40): 435.42,1259.83 435.42,963.79 1172.23,963.79 1172.23,1259.83
no net on Top Layer "NONET_L01_P038" (solid, pour order 38): 696.99,700.81 585.08,700.81 585.08,656.57 696.99,656.57
no net on Top Layer "NONET_L01_P036" (solid, pour order 36): 696.67,867.88 586.67,867.88 586.67,818.51 696.67,818.51
no net on Top Layer "NONET_L01_P034" (solid, pour order 34): 1040.99,660.99 1040.99,626.99 945.99,626.99 945.99,660.99
no net on Top Layer "Top Layer-No Net 1" (solid, remove dead copper, pour order 30): 435.46,729.39 1196.99,729.39 1196.99,394.02 435.46,394.02
no net on Top Layer "Top Layer-GND" (solid, remove dead copper, pour order 28): 4221.45,659.99 4221.45,355.85 5132.07,355.85 5132.07,506.44 4948.01,506.44 4948.01,589.12 4867.3,589.12 4852.54,589.12 4852.54,659.99
no net on Top Layer "Top Layer-+3V3 1" (solid, remove dead copper, pour order 26): 3370.99,723.41 4221.45,723.41 4221.45,409.15 3370.99,409.15
no net on Mid-Layer 2 "Layer 3-NetC19_2" (solid, remove dead copper, pour order 88): 3661.99,1330.99 3661.99,729.39 1098.82,729.39 1098.82,1330.99
no net on Mid-Layer 2 "Top Layer-NetC19_2" (solid, pour order 110): 4068.89,800.19 3364.99,800.19 3364.99,1073.31 4068.89,1073.31
no net on Mid-Layer 2 "Top Layer-NetC35_21" (solid, remove dead copper, pour order 108): 4248.38,894.47 4474.89,894.47 4776.56,894.47 4776.56,1161.74 4563.97,1161.74 4248.38,1161.74
no net on Mid-Layer 2 "Top Layer-NetC36_2" (solid, remove dead copper, pour order 106): 5303.99,892.21 5072.82,892.21 4776.56,892.21 4776.56,1162.39 4989.16,1162.39 5303.99,1162.39
no net on Mid-Layer 2 "Layer 3-NetC13_1" (solid, pour order 104): 3264.99,1020.23 3264.99,851.4 3337.6,851.4 3337.6,1020.23
no net on Mid-Layer 2 "Top Layer-NetC33_2" (solid, pour order 102): 4021.64,870.07 4021.64,956.68 4021.64,1027.55 4126.96,1027.55 4283.99,1027.55 4283.99,888.77 4469.48,888.77 4469.48,666.39 4021.64,666.39 4021.64,757.86
no net on Mid-Layer 2 "Top Layer-NetC13_1" (solid, remove dead copper, pour order 100): 5198.87,613.77 5198.87,641.86 4474.8,641.86 4474.8,888.77 5714.56,888.77 5714.56,613.77
no net on Mid-Layer 2 "Top Layer-GND2" (solid, remove dead copper, pour order 98): 6029.52,362.19 5134.24,362.19 5134.24,897.63 6029.52,897.63
no net on Mid-Layer 2 "Top Layer-GND1" (solid, remove dead copper, pour order 96): 3639.99,1029.52 4123.02,1029.52 4123.02,892.21 6060.03,892.21 6060.03,1296.25 3639.99,1296.25
no net on Mid-Layer 2 "Layer 3-+5V0" (solid, pour order 94): 814.46,725.38 814.46,546.99 2780.58,546.99 2780.58,1025.99 2513.99,1025.99 2513.99,725.38
no net on Mid-Layer 2 "Layer 4-+3V3" (solid, remove dead copper, pour order 92): 325.99,724.77 906.6,724.77 906.6,543.16 3370.99,543.16 3370.99,667.31 3539.99,667.31 3539.99,358.99 325.99,358.99
no net on Mid-Layer 2 "Layer 4-NetC61_2" (solid, remove dead copper, pour order 90): 1098.82,1330.99 1098.82,726.37 809.05,726.37 809.04,546.99 403.99,546.99 403.99,1330.99
no net on Mid-Layer 2 "NONET_L-01_P086" (solid, remove dead copper, pour order 86): 2785.99,863.32 2785.99,350.99 5134.23,350.99 5134.23,863.32
no net on Mid-Layer 1 "Layer 3-NetC19_2" (solid, remove dead copper, pour order 114): 3654.53,1330.99 3654.53,729.39 1098.82,729.39 1098.82,1330.99
no net on Mid-Layer 1 "Layer 4-NetC36_2" (solid, remove dead copper, pour order 136): 5303.99,892.21 5072.82,892.21 4776.56,892.21 4776.56,1162.39 4989.16,1162.39 5303.99,1162.39
no net on Mid-Layer 1 "Top Layer-NetC35_21" (solid, remove dead copper, pour order 134): 4258.99,894.47 4474.89,894.47 4776.56,894.47 4776.56,1161.74 4563.97,1161.74 4258.99,1161.74
no net on Mid-Layer 1 "Layer 3-NetC13_1" (solid, pour order 132): 3264.99,1020.23 3264.99,851.4 3337.6,851.4 3337.6,1020.23
no net on Mid-Layer 1 "Top Layer-NetC33_2" (solid, pour order 130): 4021.64,870.07 4021.64,956.68 4021.64,1027.55 4126.96,1027.55 4283.99,1027.55 4283.99,888.77 4469.48,888.77 4469.48,666.39 4021.64,666.39 4021.64,757.86
no net on Mid-Layer 1 "Top Layer-NetC13_1" (solid, remove dead copper, pour order 128): 5198.87,613.77 5198.87,641.86 4474.8,641.86 4474.8,888.77 5714.56,888.77 5714.56,619.08 5714.56,613.77
no net on Mid-Layer 1 "Top Layer-GND2" (solid, remove dead copper, pour order 126): 6029.52,362.19 5134.23,362.19 5134.23,897.63 6029.52,897.63
no net on Mid-Layer 1 "Layer 4-+3V3" (solid, remove dead copper, pour order 124): 325.99,543.16 906.6,543.16 3370.99,543.16 3370.99,667.31 3539.99,667.31 3539.99,358.99 325.99,358.99
no net on Mid-Layer 1 "Top Layer-NetC19_2" (solid, pour order 122): 4068.89,800.19 3364.99,800.19 3364.99,1079.99 4068.89,1079.99
no net on Mid-Layer 1 "Top Layer-GND1" (solid, remove dead copper, pour order 120): 3639.99,1029.52 4123.02,1029.52 4123.02,892.21 6060.03,892.21 6060.03,1296.25 3639.99,1296.25
no net on Mid-Layer 1 "Layer 3-+5V0" (solid, pour order 118): 814.46,725.38 814.46,546.99 2780.58,546.99 2780.58,1025.99 2513.99,1025.99 2513.99,725.38
no net on Mid-Layer 1 "Layer 4-NetC61_2" (solid, remove dead copper, pour order 116): 1098.82,1330.99 1098.82,726.37 809.05,726.37 809.04,546.99 403.99,546.99 403.99,1330.99
no net on Mid-Layer 1 "NONET_L02_P112" (solid, remove dead copper, pour order 112): 2785.99,863.32 2785.99,350.99 5134.24,350.99 5134.24,863.32

## Keep-outs
Top Layer:
  rectangle: 5716.99,601.29 5771.15,714.48
  rectangle: 5695.36,453.5 5796.25,601.17
  rectangle: 3998.02,786.91 4049.21,887.53
  rectangle: 3973.1,630.61 4072.82,788.35
Bottom Layer:
  region: 3487.84,1000.06 3487.84,1065.99 3305.99,1065.99 3305.99,1000.06
  region: 3287.78,997.92 3287.78,1067.22 3055.46,1067.22 3055.46,997.92
  region: 3343.43,1043.52 3343.43,1090.13 3305.99,1090.13 3305.99,1043.52